# KiCad board EnvKB_HS.kicad_pcb
title: EnvKB; date: 2021-04-06; rev: Rev.1
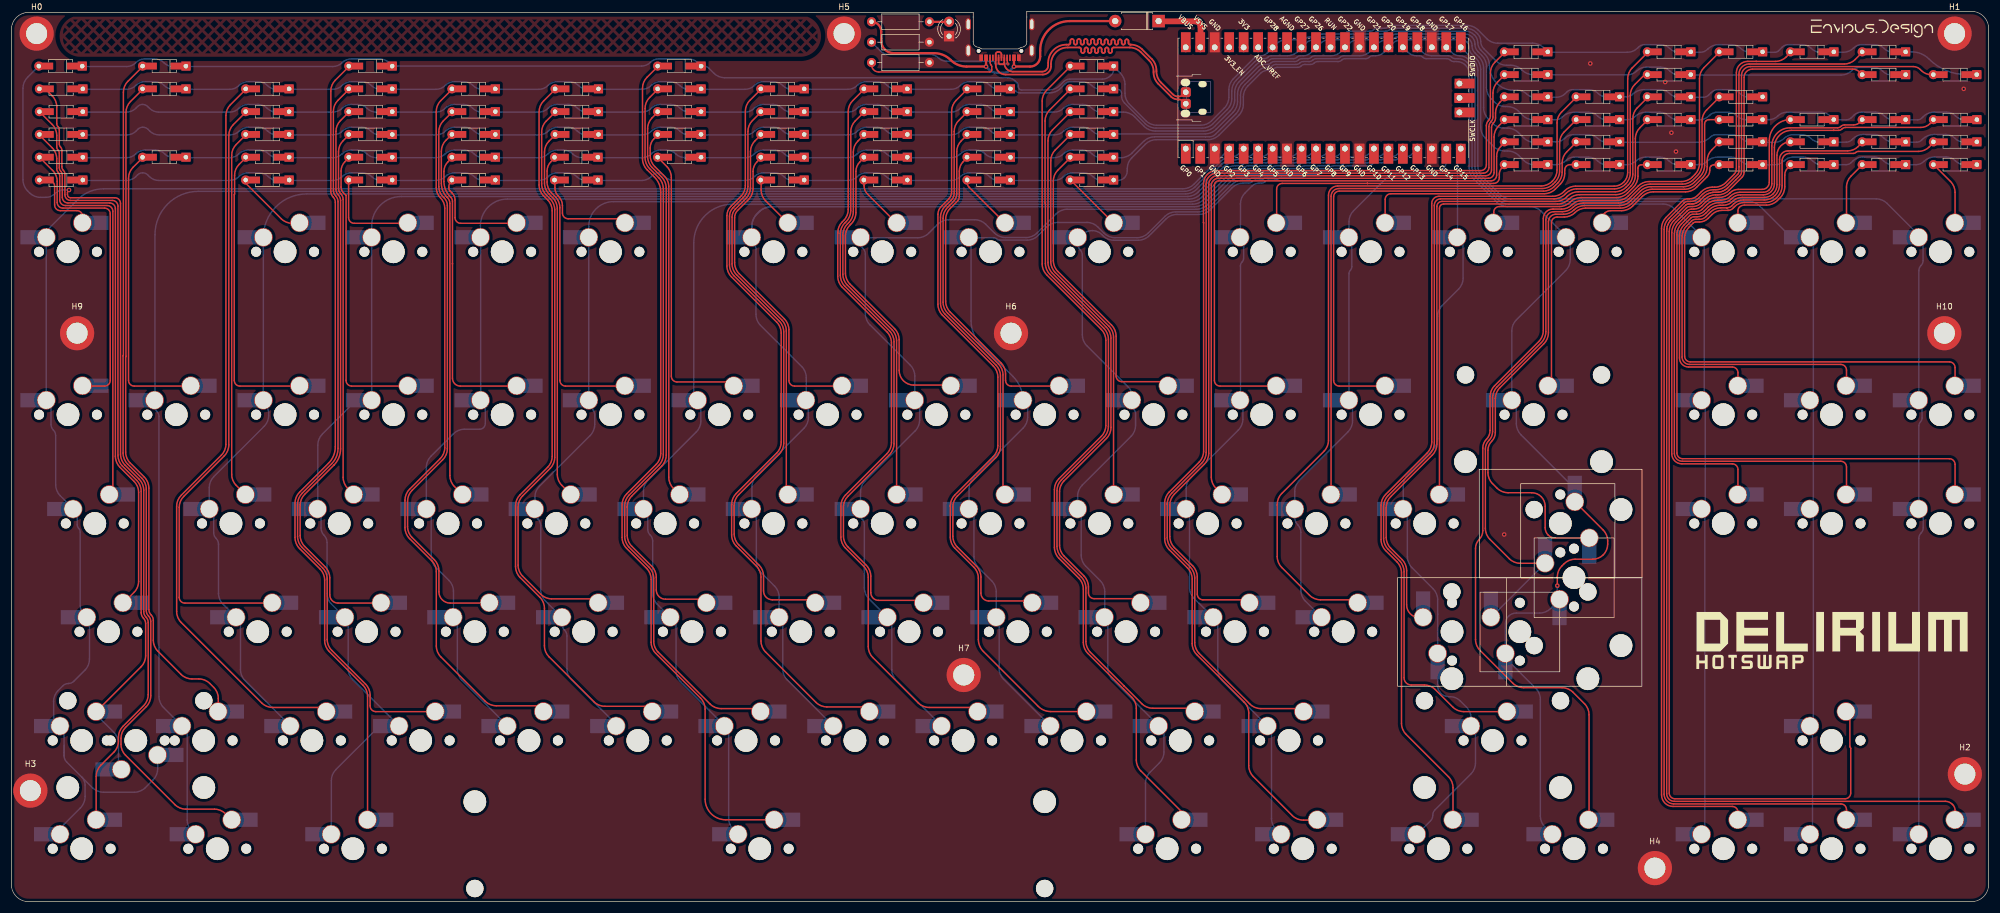
[diagram p0: board, top side]
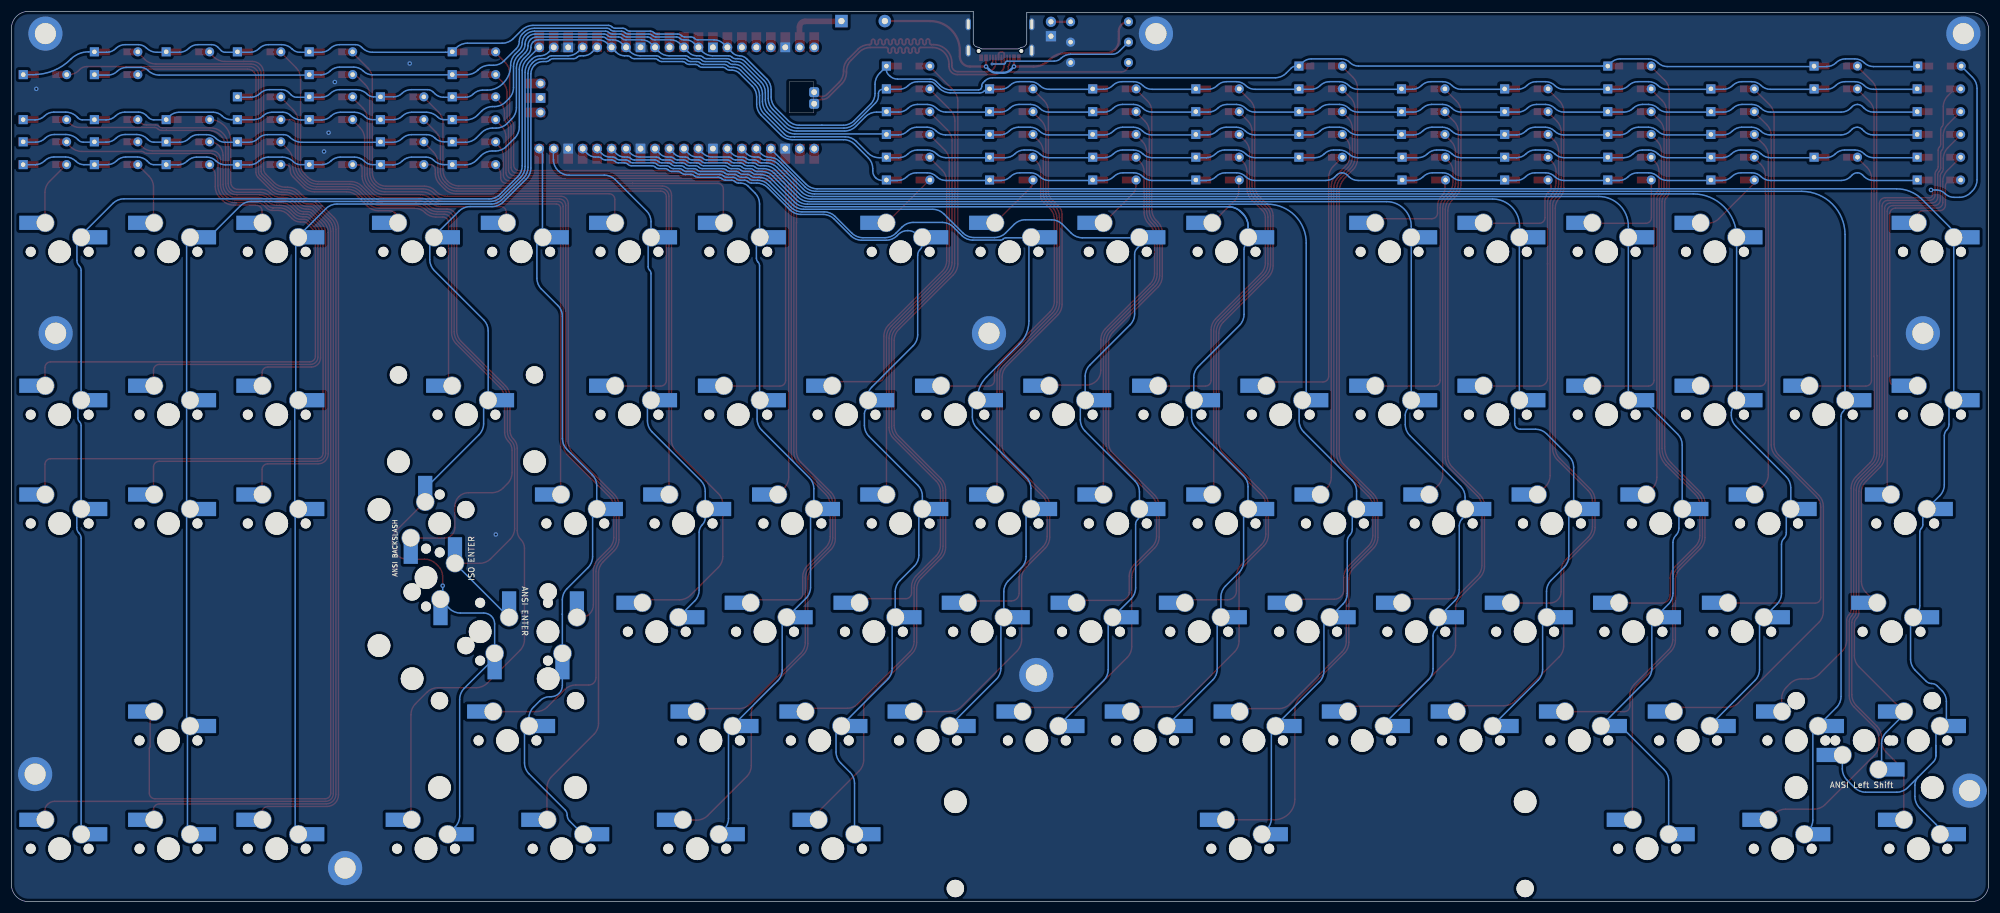
[diagram p1: board, bottom side, seen from below]

Outline 347 x 156.28 mm; copper layers: Top, Bottom. Coordinates in mm from the lower left corner of the outline.
Outline path: rectangle 206.18,143.91 210.51,138.49 ; 168.8,155.3 168.8,156.1 3,156.1 arc(0.88,155.22) 0,153.1 0,3 arc(0.88,0.88) 3,0 344,0 arc(346.12,0.88) 347,3 347,153.28 arc(346.12,155.41) 344,156.28 178.2,156.28 178.2,155.3
Stack: Top 0.035mm / dielectric 0.48mm FR4 er 4.5 / Bottom 0.035mm

## Placement (name value [footprint] x y rotation side)
D0  D  [SOD-123+D_DO-35_SOD27_P7.62mm_Horizontal]  12.53 126.69 180 top
D1  D  [SOD-123+D_DO-35_SOD27_P7.62mm_Horizontal]  48.73 126.69 180 top
D2  D  [SOD-123+D_DO-35_SOD27_P7.62mm_Horizontal]  66.83 126.69 180 top
D3  D  [SOD-123+D_DO-35_SOD27_P7.62mm_Horizontal]  84.93 126.69 180 top
D4  D  [SOD-123+D_DO-35_SOD27_P7.62mm_Horizontal]  102.93 126.69 180 top
D5  D  [SOD-123+D_DO-35_SOD27_P7.62mm_Horizontal]  139.13 126.69 180 top
D6  D  [SOD-123+D_DO-35_SOD27_P7.62mm_Horizontal]  157.23 126.69 180 top
D7  D  [SOD-123+D_DO-35_SOD27_P7.62mm_Horizontal]  175.33 126.69 180 top
D8  D  [SOD-123+D_DO-35_SOD27_P7.62mm_Horizontal]  193.43 126.69 180 top
D9  D  [SOD-123+D_DO-35_SOD27_P7.62mm_Horizontal]  269.63 129.38 180 top
D10  D  [SOD-123+D_DO-35_SOD27_P7.62mm_Horizontal]  282.23 129.38 180 top
D11  D  [SOD-123+D_DO-35_SOD27_P7.62mm_Horizontal]  294.73 129.38 180 top
D12  D  [SOD-123+D_DO-35_SOD27_P7.62mm_Horizontal]  307.33 129.38 180 top
D13  D  [SOD-123+D_DO-35_SOD27_P7.62mm_Horizontal]  319.83 129.38 180 top
D14  D  [SOD-123+D_DO-35_SOD27_P7.62mm_Horizontal]  332.43 129.38 180 top
D15  D  [SOD-123+D_DO-35_SOD27_P7.62mm_Horizontal]  344.93 129.38 180 top
D16  D  [SOD-123+D_DO-35_SOD27_P7.62mm_Horizontal]  12.53 130.69 180 top
D17  D  [SOD-123+D_DO-35_SOD27_P7.62mm_Horizontal]  30.63 130.69 180 top
D18  D  [SOD-123+D_DO-35_SOD27_P7.62mm_Horizontal]  48.73 130.69 180 top
D19  D  [SOD-123+D_DO-35_SOD27_P7.62mm_Horizontal]  66.83 130.69 180 top
D20  D  [SOD-123+D_DO-35_SOD27_P7.62mm_Horizontal]  84.93 130.69 180 top
D21  D  [SOD-123+D_DO-35_SOD27_P7.62mm_Horizontal]  102.93 130.69 180 top
D22  D  [SOD-123+D_DO-35_SOD27_P7.62mm_Horizontal]  121.03 130.69 180 top
D23  D  [SOD-123+D_DO-35_SOD27_P7.62mm_Horizontal]  139.13 130.69 180 top
D24  D  [SOD-123+D_DO-35_SOD27_P7.62mm_Horizontal]  157.23 130.69 180 top
D25  D  [SOD-123+D_DO-35_SOD27_P7.62mm_Horizontal]  175.33 130.69 180 top
D26  D  [SOD-123+D_DO-35_SOD27_P7.62mm_Horizontal]  193.43 130.69 180 top
D27  D  [SOD-123+D_DO-35_SOD27_P7.62mm_Horizontal]  269.63 133.38 180 top
D28  D  [SOD-123+D_DO-35_SOD27_P7.62mm_Horizontal]  282.23 133.38 180 top
D29  D  [SOD-123+D_DO-35_SOD27_P7.62mm_Horizontal]  307.33 133.38 180 top
D30  D  [SOD-123+D_DO-35_SOD27_P7.62mm_Horizontal]  319.83 133.38 180 top
D31  D  [SOD-123+D_DO-35_SOD27_P7.62mm_Horizontal]  332.43 133.38 180 top
D32  D  [SOD-123+D_DO-35_SOD27_P7.62mm_Horizontal]  344.93 133.38 180 top
D33  D  [SOD-123+D_DO-35_SOD27_P7.62mm_Horizontal]  12.53 134.69 180 top
D34  D  [SOD-123+D_DO-35_SOD27_P7.62mm_Horizontal]  48.73 134.69 180 top
D35  D  [SOD-123+D_DO-35_SOD27_P7.62mm_Horizontal]  66.83 134.69 180 top
D36  D  [SOD-123+D_DO-35_SOD27_P7.62mm_Horizontal]  84.93 134.69 180 top
D37  D  [SOD-123+D_DO-35_SOD27_P7.62mm_Horizontal]  103.03 134.69 180 top
D38  D  [SOD-123+D_DO-35_SOD27_P7.62mm_Horizontal]  121.03 134.69 180 top
D39  D  [SOD-123+D_DO-35_SOD27_P7.62mm_Horizontal]  139.13 134.69 180 top
D40  D  [SOD-123+D_DO-35_SOD27_P7.62mm_Horizontal]  157.23 134.69 180 top
D41  D  [SOD-123+D_DO-35_SOD27_P7.62mm_Horizontal]  175.33 134.69 180 top
D42  D  [SOD-123+D_DO-35_SOD27_P7.62mm_Horizontal]  193.43 134.69 180 top
D43  D  [SOD-123+D_DO-35_SOD27_P7.62mm_Horizontal]  269.63 137.28 180 top
D44  D  [SOD-123+D_DO-35_SOD27_P7.62mm_Horizontal]  282.23 137.28 180 top
D45  D  [SOD-123+D_DO-35_SOD27_P7.62mm_Horizontal]  294.73 137.28 180 top
D46  D  [SOD-123+D_DO-35_SOD27_P7.62mm_Horizontal]  307.33 137.28 180 top
D47  D  [SOD-123+D_DO-35_SOD27_P7.62mm_Horizontal]  319.83 137.28 180 top
D48  D  [SOD-123+D_DO-35_SOD27_P7.62mm_Horizontal]  332.43 137.28 180 top
D49  D  [SOD-123+D_DO-35_SOD27_P7.62mm_Horizontal]  344.93 137.28 180 top
D50  D  [SOD-123+D_DO-35_SOD27_P7.62mm_Horizontal]  12.53 138.69 180 top
D51  D  [SOD-123+D_DO-35_SOD27_P7.62mm_Horizontal]  48.73 138.69 180 top
D52  D  [SOD-123+D_DO-35_SOD27_P7.62mm_Horizontal]  66.83 138.69 180 top
D53  D  [SOD-123+D_DO-35_SOD27_P7.62mm_Horizontal]  84.93 138.69 180 top
D54  D  [SOD-123+D_DO-35_SOD27_P7.62mm_Horizontal]  103.03 138.69 180 top
D55  D  [SOD-123+D_DO-35_SOD27_P7.62mm_Horizontal]  121.03 138.69 180 top
D56  D  [SOD-123+D_DO-35_SOD27_P7.62mm_Horizontal]  139.13 138.69 180 top
D57  D  [SOD-123+D_DO-35_SOD27_P7.62mm_Horizontal]  157.23 138.69 180 top
D58  D  [SOD-123+D_DO-35_SOD27_P7.62mm_Horizontal]  175.33 138.69 180 top
D59  D  [SOD-123+D_DO-35_SOD27_P7.62mm_Horizontal]  193.43 138.69 180 top
D60  D  [SOD-123+D_DO-35_SOD27_P7.62mm_Horizontal]  269.63 141.28 180 top
D61  D  [SOD-123+D_DO-35_SOD27_P7.62mm_Horizontal]  282.23 141.28 180 top
D62  D  [SOD-123+D_DO-35_SOD27_P7.62mm_Horizontal]  294.73 141.28 180 top
D63  D  [SOD-123+D_DO-35_SOD27_P7.62mm_Horizontal]  307.33 141.28 180 top
D64  D  [SOD-123+D_DO-35_SOD27_P7.62mm_Horizontal]  12.53 142.69 180 top
D65  D  [SOD-123+D_DO-35_SOD27_P7.62mm_Horizontal]  30.63 142.69 180 top
D66  D  [SOD-123+D_DO-35_SOD27_P7.62mm_Horizontal]  48.73 142.69 180 top
D67  D  [SOD-123+D_DO-35_SOD27_P7.62mm_Horizontal]  66.83 142.69 180 top
D68  D  [SOD-123+D_DO-35_SOD27_P7.62mm_Horizontal]  84.93 142.69 180 top
D69  D  [SOD-123+D_DO-35_SOD27_P7.62mm_Horizontal]  103.03 142.69 180 top
D70  D  [SOD-123+D_DO-35_SOD27_P7.62mm_Horizontal]  121.03 142.69 180 top
D71  D  [SOD-123+D_DO-35_SOD27_P7.62mm_Horizontal]  139.13 142.69 180 top
D72  D  [SOD-123+D_DO-35_SOD27_P7.62mm_Horizontal]  157.23 142.69 180 top
D73  D  [SOD-123+D_DO-35_SOD27_P7.62mm_Horizontal]  175.33 142.69 180 top
D74  D  [SOD-123+D_DO-35_SOD27_P7.62mm_Horizontal]  193.43 142.69 180 top
D75  D  [SOD-123+D_DO-35_SOD27_P7.62mm_Horizontal]  269.63 145.19 180 top
D76  D  [SOD-123+D_DO-35_SOD27_P7.62mm_Horizontal]  294.73 145.19 180 top
D77  D  [SOD-123+D_DO-35_SOD27_P7.62mm_Horizontal]  332.43 145.19 180 top
D78  D  [SOD-123+D_DO-35_SOD27_P7.62mm_Horizontal]  12.43 146.69 180 top
D79  D  [SOD-123+D_DO-35_SOD27_P7.62mm_Horizontal]  30.63 146.69 180 top
D80  D  [SOD-123+D_DO-35_SOD27_P7.62mm_Horizontal]  66.83 146.69 180 top
D81  D  [SOD-123+D_DO-35_SOD27_P7.62mm_Horizontal]  121.03 146.69 180 top
D82  D  [SOD-123+D_DO-35_SOD27_P7.62mm_Horizontal]  193.43 146.69 180 top
D83  D  [SOD-123+D_DO-35_SOD27_P7.62mm_Horizontal]  269.63 149.19 180 top
D84  D  [SOD-123+D_DO-35_SOD27_P7.62mm_Horizontal]  294.73 149.19 180 top
D85  D  [SOD-123+D_DO-35_SOD27_P7.62mm_Horizontal]  307.33 149.19 180 top
D86  D  [SOD-123+D_DO-35_SOD27_P7.62mm_Horizontal]  319.83 149.19 180 top
D87  D  [SOD-123+D_DO-35_SOD27_P7.62mm_Horizontal]  332.43 149.19 180 top
D88  D  [SOD-123+D_DO-35_SOD27_P7.62mm_Horizontal]  344.92 145.19 180 top
D89  1n4002  [D_DO-41_SOD81_P7.62mm_Horizontal]  201.33 154.58 180 top
H0  MountingHole  [MountingHole_3.7mm_Pad]  4.43 152.38 0 top
H1  MountingHole  [MountingHole_3.7mm_Pad]  341.03 152.38 0 top
H2  MountingHole  [MountingHole_3.7mm_Pad]  342.83 22.38 0 top
H3  MountingHole  [MountingHole_3.7mm_Pad]  3.33 19.48 0 top
H4  MountingHole  [MountingHole_3.7mm_Pad]  288.43 5.88 0 top
H5  MountingHole  [MountingHole_3.7mm_Pad]  146.13 152.38 0 top
H6  MountingHole  [MountingHole_3.7mm_Pad]  175.43 99.78 0 top
H7  MountingHole  [MountingHole_3.7mm_Pad]  167.13 39.78 0 top
H9  MountingHole  [MountingHole_3.7mm_Pad]  11.53 99.78 0 top
H10  MountingHole  [MountingHole_3.7mm_Pad]  339.23 99.78 0 top
K_0  KEYSW  [MXOnly-1U-Hotswap-Modified]  9.93 114.08 0 top
K_1  KEYSW  [MXOnly-1U-Hotswap-Modified]  48.03 114.08 0 top
K_2  KEYSW  [MXOnly-1U-Hotswap-Modified]  67.03 114.08 0 top
K_3  KEYSW  [MXOnly-1U-Hotswap-Modified]  86.13 114.08 0 top
K_4  KEYSW  [MXOnly-1U-Hotswap-Modified]  105.13 114.08 0 top
K_5  KEYSW  [MXOnly-1U-Hotswap-Modified]  133.73 114.08 0 top
K_6  KEYSW  [MXOnly-1U-Hotswap-Modified]  152.83 114.08 0 top
K_7  KEYSW  [MXOnly-1U-Hotswap-Modified]  171.83 114.08 0 top
K_8  KEYSW  [MXOnly-1U-Hotswap-Modified]  190.93 114.08 0 top
K_9  KEYSW  [MXOnly-1U-Hotswap-Modified]  219.43 114.08 0 top
K_10  KEYSW  [MXOnly-1U-Hotswap-Modified]  238.53 114.08 0 top
K_11  KEYSW  [MXOnly-1U-Hotswap-Modified]  257.53 114.08 0 top
K_12  KEYSW  [MXOnly-1U-Hotswap-Modified]  276.63 114.08 0 top
K_13  KEYSW  [MXOnly-1U-Hotswap-Modified]  300.43 114.08 0 top
K_14  KEYSW  [MXOnly-1U-Hotswap-Modified]  319.43 114.08 0 top
K_15  KEYSW  [MXOnly-1U-Hotswap-Modified]  338.53 114.08 0 top
K_16  KEYSW  [MXOnly-1U-Hotswap-Modified]  9.93 85.48 0 top
K_17  KEYSW  [MXOnly-1U-Hotswap-Modified]  28.93 85.48 0 top
K_18  KEYSW  [MXOnly-1U-Hotswap-Modified]  48.03 85.48 0 top
K_19  KEYSW  [MXOnly-1U-Hotswap-Modified]  67.03 85.48 0 top
K_20  KEYSW  [MXOnly-1U-Hotswap-Modified]  86.13 85.48 0 top
K_21  KEYSW  [MXOnly-1U-Hotswap-Modified]  105.13 85.48 0 top
K_22  KEYSW  [MXOnly-1U-Hotswap-Modified]  124.23 85.48 0 top
K_23  KEYSW  [MXOnly-1U-Hotswap-Modified]  143.23 85.48 0 top
K_24  KEYSW  [MXOnly-1U-Hotswap-Modified]  162.33 85.48 0 top
K_25  KEYSW  [MXOnly-1U-Hotswap-Modified]  181.33 85.48 0 top
K_26  KEYSW  [MXOnly-1U-Hotswap-Modified]  200.43 85.48 0 top
K_27  KEYSW  [MXOnly-1U-Hotswap-Modified]  219.43 85.48 0 top
K_28  KEYSW  [MXOnly-1U-Hotswap-Modified]  238.53 85.48 0 top
K_29  KEYSW  [MXOnly-1U-Hotswap-Modified]  267.13 85.48 0 top
K_30  KEYSW  [MXOnly-1U-Hotswap-Modified]  300.43 85.48 0 top
K_31  KEYSW  [MXOnly-1U-Hotswap-Modified]  319.43 85.48 0 top
K_32  KEYSW  [MXOnly-1U-Hotswap-Modified]  338.53 85.48 0 top
K_33  KEYSW  [MXOnly-1U-Hotswap-Modified]  14.63 66.38 0 top
K_34  KEYSW  [MXOnly-1U-Hotswap-Modified]  38.53 66.38 0 top
K_35  KEYSW  [MXOnly-1U-Hotswap-Modified]  57.53 66.38 0 top
K_36  KEYSW  [MXOnly-1U-Hotswap-Modified]  76.63 66.38 0 top
K_37  KEYSW  [MXOnly-1U-Hotswap-Modified]  95.63 66.38 0 top
K_38  KEYSW  [MXOnly-1U-Hotswap-Modified]  114.73 66.38 0 top
K_39  KEYSW  [MXOnly-1U-Hotswap-Modified]  133.73 66.38 0 top
K_40  KEYSW  [MXOnly-1U-Hotswap-Modified]  152.83 66.38 0 top
K_41  KEYSW  [MXOnly-1U-Hotswap-Modified]  171.83 66.38 0 top
K_42  KEYSW  [MXOnly-1U-Hotswap-Modified]  190.93 66.38 0 top
K_43  KEYSW  [MXOnly-1U-Hotswap-Modified]  209.93 66.38 0 top
K_44  KEYSW  [MXOnly-1U-Hotswap-Modified]  229.03 66.38 0 top
K_45  KEYSW  [MXOnly-1U-Hotswap-Modified]  248.03 66.38 0 top
K_46  KEYSW  [MXOnly-1U-Hotswap-Modified]  271.83 66.38 270 top
K_47  KEYSW  [MXOnly-1U-Hotswap-Modified]  300.43 66.38 0 top
K_48  KEYSW  [MXOnly-1U-Hotswap-Modified]  319.43 66.38 0 top
K_49  KEYSW  [MXOnly-1U-Hotswap-Modified]  338.53 66.38 0 top
K_50  KEYSW  [MXOnly-1U-Hotswap-Modified]  17.03 47.38 0 top
K_51  KEYSW  [MXOnly-1U-Hotswap-Modified]  43.23 47.38 0 top
K_52  KEYSW  [MXOnly-1U-Hotswap-Modified]  62.33 47.38 0 top
K_53  KEYSW  [MXOnly-1U-Hotswap-Modified]  81.33 47.38 0 top
K_54  KEYSW  [MXOnly-1U-Hotswap-Modified]  100.43 47.38 0 top
K_55  KEYSW  [MXOnly-1U-Hotswap-Modified]  119.43 47.38 0 top
K_56  KEYSW  [MXOnly-1U-Hotswap-Modified]  138.53 47.38 0 top
K_57  KEYSW  [MXOnly-1U-Hotswap-Modified]  157.53 47.38 0 top
K_58  KEYSW  [MXOnly-1U-Hotswap-Modified]  176.63 47.38 0 top
K_59  KEYSW  [MXOnly-1U-Hotswap-Modified]  195.63 47.38 0 top
K_60  KEYSW  [MXOnly-1U-Hotswap-Modified]  214.73 47.38 0 top
K_61  KEYSW  [MXOnly-1U-Hotswap-Modified]  233.73 47.38 0 top
K_62  KEYSW  [MXOnly-1U-Hotswap-Modified]  252.83 47.38 90 top
K_63  MX-NoLED  [MXOnly-1U-Hotswap-Modified]  274.23 56.88 90 top
K_63B1  MX-NoLED  [MXOnly-1U-Hotswap-Modified]  264.73 47.38 90 top
K_64  KEYSW  [MXOnly-1U-Hotswap-Modified]  12.33 28.28 0 top
K_64B1  KEYSW  [MXOnly-1U-Hotswap-Modified]  21.83 28.28 180 top
K_65  KEYSW  [MXOnly-1U-Hotswap-Modified]  33.73 28.28 0 top
K_66  KEYSW  [MXOnly-1U-Hotswap-Modified]  52.73 28.28 0 top
K_67  KEYSW  [MXOnly-1U-Hotswap-Modified]  71.83 28.28 0 top
K_68  KEYSW  [MXOnly-1U-Hotswap-Modified]  90.83 28.28 0 top
K_69  KEYSW  [MXOnly-1U-Hotswap-Modified]  109.93 28.28 0 top
K_70  KEYSW  [MXOnly-1U-Hotswap-Modified]  128.93 28.28 0 top
K_71  KEYSW  [MXOnly-1U-Hotswap-Modified]  148.03 28.28 0 top
K_72  KEYSW  [MXOnly-1U-Hotswap-Modified]  167.03 28.28 0 top
K_73  KEYSW  [MXOnly-1U-Hotswap-Modified]  186.13 28.28 0 top
K_74  KEYSW  [MXOnly-1U-Hotswap-Modified]  205.13 28.28 0 top
K_75  KEYSW  [MXOnly-1U-Hotswap-Modified]  224.23 28.28 0 top
K_76  KEYSW  [MXOnly-1U-Hotswap-Modified]  259.93 28.28 0 top
K_77  KEYSW  [MXOnly-1U-Hotswap-Modified]  319.43 28.28 0 top
K_78  KEYSW  [MXOnly-1U-Hotswap-Modified]  12.33 9.28 0 top
K_79  KEYSW  [MXOnly-1U-Hotswap-Modified]  36.13 9.28 0 top
K_80  KEYSW  [MXOnly-1U-Hotswap-Modified]  59.93 9.28 0 top
K_81  KEYSW  [MXOnly-1U-Hotswap-Modified]  131.33 9.28 0 top
K_82  KEYSW  [MXOnly-1U-Hotswap-Modified]  202.83 9.28 0 top
K_83  KEYSW  [MXOnly-1U-Hotswap-Modified]  226.63 9.28 0 top
K_84  KEYSW  [MXOnly-1U-Hotswap-Modified]  250.43 9.28 0 top
K_85  KEYSW  [MXOnly-1U-Hotswap-Modified]  274.23 9.28 0 top
K_86  KEYSW  [MXOnly-1U-Hotswap-Modified]  300.43 9.28 0 top
K_87  KEYSW  [MXOnly-1U-Hotswap-Modified]  319.43 9.28 0 top
K_88  KEYSW  [MXOnly-1U-Hotswap-Modified]  338.53 9.28 0 top
kibuzzard-62A4A5BB  G***  [kibuzzard-62A4A5BB]  326.53 153.28 0 top
kibuzzard-6298A001  G***  [kibuzzard-6298A001]  319.53 47.38 0 top
kibuzzard-6298A037  G***  [kibuzzard-6298A037]  305.13 42.09 0 top
LEDRESISTOR1  5.1K Resistor 1/4w  [R_Axial_DIN0207_L6.3mm_D2.5mm_P10.16mm_Horizontal]  150.95 154.46 0 top
PowerLED0  LED 3MM  [LED_D3.0mm_FlatTop]  164.56 151.93 90 top
RESISTOR0  5.1kohm 1/4w  [R_Axial_DIN0207_L6.3mm_D2.5mm_P10.16mm_Horizontal]  150.95 150.88 0 top
RESISTOR1  5.1kohm 1/4  [R_Axial_DIN0207_L6.3mm_D2.5mm_P10.16mm_Horizontal]  161.11 147.31 180 top
RPI0  Pico  [RPi_Pico_SMD_TH]  230.23 141.08 90 top
Stab1  Stabilizer  [Stabilizer_Cherry_MX_6.25u]  131.33 9.28 180 top
Stab2  Stabilizer  [Stabilizer_Cherry_MX_2u]  267.13 85.48 0 top
Stab3  Stabilizer  [Stabilizer_Cherry_MX_2u]  274.23 56.88 90 top
Stab4  Stabilizer  [Stabilizer_Cherry_MX_2u]  259.93 28.28 0 top
Stab5  Stabilizer  [Stabilizer_Cherry_MX_2u]  21.83 28.28 0 top
Stab6  Stabilizer  [Stabilizer_Cherry_MX_2u]  264.73 47.38 0 top
USB1  TYPE-C-31-M-14  [USB_C_TYPE-C-31-M-14]  173.5 151 180 top

## Library data of the parts
K_0-K_63 K_63B1 K_64 K_64B1 K_65-K_88 = -: LCSC: C2803348
LEDRESISTOR1 = -: LCSC: C17513
RESISTOR0 RESISTOR1 = -: LCSC: C25905
USB1 = -: LCSC: C165948

## Footprints (pads in the part's own frame, mm; a bottom-side part is the same pattern mirrored in y, then rotated)
D_DO-41_SOD81_P7.62mm_Horizontal
  rect 2.2x2.2 hole 1.1: 1(0,0)
  oval 2.2x2.2 hole 1.1: 2(7.62,0)
LED_D3.0mm_FlatTop
  rect 1.8x1.8 hole 0.9: 1(0,0)
  round 1.8 hole 0.9: 2(2.54,0)
MountingHole_3.7mm_Pad
  round 6 hole 3.7: 1(0,0)
MXOnly-1U-Hotswap-Modified
  rect 2.55x2.5 smd: (-7.085,2.54) (5.815,5.08)
  round 1.75 hole 1.75 unplated: (-5.08,0) (5.08,0)
  round 3.988 hole 3.988 unplated: (0,0)
  rect 5.5x2.5 smd far side: 1(-5.61,2.54) 2(4.34,5.08)
  round 3.25 hole 3: 1(-3.81,2.54) 2(2.54,5.08)
R_Axial_DIN0207_L6.3mm_D2.5mm_P10.16mm_Horizontal
  round 1.6 hole 0.8: 1(0,0)
  oval 1.6x1.6 hole 0.8: 2(10.16,0)
RPi_Pico_SMD_TH
  oval 1.35x1.7 smd: (-2.73,24.19) (2.73,24.19)
  oval 1.1x1.5 smd: (-2.42,21.19) (2.42,21.19)
  oval 1.7x1.7 hole 1.02: 1(-8.89,24.13) 2(-8.89,21.59) 4(-8.89,16.51) 5(-8.89,13.97) 6(-8.89,11.43) 7(-8.89,8.89) 9(-8.89,3.81) 10(-8.89,1.27) 11(-8.89,-1.27) 12(-8.89,-3.81) 14(-8.89,-8.89) 15(-8.89,-11.43) 16(-8.89,-13.97) 17(-8.89,-16.51) 19(-8.89,-21.59) 20(-8.89,-24.13) 21(8.89,-24.13) 22(8.89,-21.59) 24(8.89,-16.51) 25(8.89,-13.97) 26(8.89,-11.43) 27(8.89,-8.89) 29(8.89,-3.81) 30(8.89,-1.27) 31(8.89,1.27) 32(8.89,3.81) 34(8.89,8.89) 35(8.89,11.43) 36(8.89,13.97) 37(8.89,16.51) 39(8.89,21.59) 40(8.89,24.13) 41(-2.54,-23.9) 43(2.54,-23.9)
  rect 3.5x1.7 smd: 1(-8.89,24.13) 2(-8.89,21.59) 3(-8.89,19.05) 4(-8.89,16.51) 5(-8.89,13.97) 6(-8.89,11.43) 7(-8.89,8.89) 8(-8.89,6.35) 9(-8.89,3.81) 10(-8.89,1.27) 11(-8.89,-1.27) 12(-8.89,-3.81) 13(-8.89,-6.35) 14(-8.89,-8.89) 15(-8.89,-11.43) 16(-8.89,-13.97) 17(-8.89,-16.51) 18(-8.89,-19.05) 19(-8.89,-21.59) 20(-8.89,-24.13) 21(8.89,-24.13) 22(8.89,-21.59) 23(8.89,-19.05) 24(8.89,-16.51) 25(8.89,-13.97) 26(8.89,-11.43) 27(8.89,-8.89) 28(8.89,-6.35) 29(8.89,-3.81) 30(8.89,-1.27) 31(8.89,1.27) 32(8.89,3.81) 33(8.89,6.35) 34(8.89,8.89) 35(8.89,11.43) 36(8.89,13.97) 37(8.89,16.51) 38(8.89,19.05) 39(8.89,21.59) 40(8.89,24.13)
  rect 1.7x1.7 hole 1.02: 3(-8.89,19.05) 8(-8.89,6.35) 13(-8.89,-6.35) 18(-8.89,-19.05) 23(8.89,-19.05) 28(8.89,-6.35) 33(8.89,6.35) 38(8.89,19.05) 42(0,-23.9)
  rect 1.7x3.5 smd: 41(-2.54,-23.9) 42(0,-23.9) 43(2.54,-23.9)
  rrect 1.75x1.75 hole 1: TP2(1.016,24.125) TP3(-1.016,24.125)
SOD-123+D_DO-35_SOD27_P7.62mm_Horizontal
  rect 1.6x1.6 hole 0.8: 1(0,0)
  rect 3.5x1.2 smd: 1(0.95,0)
  rect 3x1.2 smd: 2(6.6,0)
  oval 1.6x1.6 hole 0.8: 2(7.62,0)
Stabilizer_Cherry_MX_2u
  round 3.048 hole 3.048 unplated: (-11.938,6.985) (11.938,6.985)
  round 3.988 hole 3.988 unplated: (-11.938,-8.255) (11.938,-8.255)
Stabilizer_Cherry_MX_6.25u
  round 3.048 hole 3.048 unplated: (-50,6.985) (50,6.985)
  round 3.988 hole 3.988 unplated: (-50,-8.255) (50,-8.255)
USB_C_TYPE-C-31-M-14
  oval 1.2x2.4 smd: (-5.675,1.58) (-5.675,-3.02) (5.675,1.58) (5.675,-3.02)
  round 0.65 hole 0.65 unplated: (-3.75,1.66) (3.75,1.66)
  rect 0.6x1.1 smd: A1(-3.3,2.86) A4(-2.45,2.86) A9(2.45,2.86) A12(3.3,2.86) B1(3.3,2.86) B4(2.45,2.86) B9(-2.45,2.86) B12(-3.3,2.86)
  rect 0.3x1.1 smd: A5(-1.25,2.86) A6(-0.25,2.86) A7(0.25,2.86) A8(1.25,2.86) B5(1.75,2.86) B6(0.75,2.86) B7(-0.75,2.86) B8(-1.75,2.86)
  oval 0.9x2.1 hole 0.5x1.7: S1(-5.575,1.58) S1(-5.575,-3.02) S1(5.575,1.58) S1(5.575,-3.02)

## Nets
3.3V: RPI0.36
GND: H0.1 H1.1 H2.1 H3.1 H4.1 H5.1 H6.1 H7.1 H9.1 H10.1 PowerLED0.1 RESISTOR0.2 RESISTOR1.1 RPI0.3 RPI0.8 RPI0.13 RPI0.18 RPI0.23 RPI0.28 RPI0.38 USB1.A1 USB1.A12 USB1.B1 USB1.B12 USB1.S1
col0: K_0.1 K_16.1 K_33.1 K_50.1 K_64.1 K_64B1.1 K_78.1 RPI0.4
col1: K_17.1 K_65.1 K_79.1 RPI0.5
col2: K_1.1 K_18.1 K_34.1 K_51.1 K_66.1 RPI0.6
col3: K_2.1 K_19.1 K_35.1 K_52.1 K_67.1 K_80.1 RPI0.7
col4: K_3.1 K_20.1 K_36.1 K_53.1 K_68.1 RPI0.9
col5: K_4.1 K_21.1 K_37.1 K_54.1 K_69.1 RPI0.10
col6: K_22.1 K_38.1 K_55.1 K_70.1 K_81.1 RPI0.11
col7: K_5.1 K_23.1 K_39.1 K_56.1 K_71.1 RPI0.12
col8: K_6.1 K_24.1 K_40.1 K_57.1 K_72.1 RPI0.14
col9: K_7.1 K_25.1 K_41.1 K_58.1 K_73.1 RPI0.15
col10: K_8.1 K_26.1 K_42.1 K_59.1 K_74.1 K_82.1 RPI0.16
col11: K_9.1 K_27.1 K_43.1 K_60.1 K_75.1 K_83.1 RPI0.17
col12: K_10.1 K_28.1 K_44.1 K_61.1 RPI0.19
col13: K_11.1 K_45.1 K_62.1 K_76.1 K_84.1 RPI0.20
col14: K_12.1 K_29.1 K_46.1 K_63.1 K_63B1.1 K_85.1 RPI0.25
col15: K_13.1 K_30.1 K_47.1 K_86.1 RPI0.24
col16: K_14.1 K_31.1 K_48.1 K_77.1 K_87.1 RPI0.22
col17: K_15.1 K_32.1 K_49.1 K_88.1 RPI0.21
LEDPIN: RPI0.1
Resetbtn: RPI0.30
row0: D0.1 D1.1 D2.1 D3.1 D4.1 D5.1 D6.1 D7.1 D8.1 D9.1 D10.1 D11.1 D12.1 D13.1 D14.1 D15.1 RPI0.26
row2: D16.1 D17.1 D18.1 D19.1 D20.1 D21.1 D22.1 D23.1 D24.1 D25.1 D26.1 D27.1 D28.1 D29.1 D30.1 D31.1 D32.1 RPI0.27
row3: D33.1 D34.1 D35.1 D36.1 D37.1 D38.1 D39.1 D40.1 D41.1 D42.1 D43.1 D44.1 D45.1 D46.1 D47.1 D48.1 D49.1 RPI0.29
row4: D50.1 D51.1 D52.1 D53.1 D54.1 D55.1 D56.1 D57.1 D58.1 D59.1 D60.1 D61.1 D62.1 D63.1 RPI0.31
row5: D64.1 D65.1 D66.1 D67.1 D68.1 D69.1 D70.1 D71.1 D72.1 D73.1 D74.1 D75.1 D76.1 D77.1 RPI0.32
row6: D78.1 D79.1 D80.1 D81.1 D82.1 D83.1 D84.1 D85.1 D86.1 D87.1 D88.1 RPI0.34
USB2_N: RPI0.TP2 USB1.A7 USB1.B7
USB2_P: RPI0.TP3 USB1.A6 USB1.B6
USBVBUS: D89.2 LEDRESISTOR1.1 USB1.A4 USB1.A9 USB1.B4 USB1.B9
VSYS: D89.1 RPI0.39
Net-(D0-Pad2): D0.2 K_0.2
Net-(D1-Pad2): D1.2 K_1.2
Net-(D2-Pad2): D2.2 K_2.2
Net-(D3-Pad2): D3.2 K_3.2
Net-(D4-Pad2): D4.2 K_4.2
Net-(D5-Pad2): D5.2 K_5.2
Net-(D6-Pad2): D6.2 K_6.2
Net-(D7-Pad2): D7.2 K_7.2
Net-(D8-Pad2): D8.2 K_8.2
Net-(D9-Pad2): D9.2 K_9.2
Net-(D10-Pad2): D10.2 K_10.2
Net-(D11-Pad2): D11.2 K_11.2
Net-(D12-Pad2): D12.2 K_12.2
Net-(D13-Pad2): D13.2 K_13.2
Net-(D14-Pad2): D14.2 K_14.2
Net-(D15-Pad2): D15.2 K_15.2
Net-(D16-Pad2): D16.2 K_16.2
Net-(D17-Pad2): D17.2 K_17.2
Net-(D18-Pad2): D18.2 K_18.2
Net-(D19-Pad2): D19.2 K_19.2
Net-(D20-Pad2): D20.2 K_20.2
Net-(D21-Pad2): D21.2 K_21.2
Net-(D22-Pad2): D22.2 K_22.2
Net-(D23-Pad2): D23.2 K_23.2
Net-(D24-Pad2): D24.2 K_24.2
Net-(D25-Pad2): D25.2 K_25.2
Net-(D26-Pad2): D26.2 K_26.2
Net-(D27-Pad2): D27.2 K_27.2
Net-(D28-Pad2): D28.2 K_28.2
Net-(D29-Pad2): D29.2 K_29.2
Net-(D30-Pad2): D30.2 K_30.2
Net-(D31-Pad2): D31.2 K_31.2
Net-(D32-Pad2): D32.2 K_32.2
Net-(D33-Pad2): D33.2 K_33.2
Net-(D34-Pad2): D34.2 K_34.2
Net-(D35-Pad2): D35.2 K_35.2
Net-(D36-Pad2): D36.2 K_36.2
Net-(D37-Pad2): D37.2 K_37.2
Net-(D38-Pad2): D38.2 K_38.2
Net-(D39-Pad2): D39.2 K_39.2
Net-(D40-Pad2): D40.2 K_40.2
Net-(D41-Pad2): D41.2 K_41.2
Net-(D42-Pad2): D42.2 K_42.2
Net-(D43-Pad2): D43.2 K_43.2
Net-(D44-Pad2): D44.2 K_44.2
Net-(D45-Pad2): D45.2 K_45.2
Net-(D46-Pad2): D46.2 K_46.2
Net-(D47-Pad2): D47.2 K_47.2
Net-(D48-Pad2): D48.2 K_48.2
Net-(D49-Pad2): D49.2 K_49.2
Net-(D50-Pad2): D50.2 K_50.2
Net-(D51-Pad2): D51.2 K_51.2
Net-(D52-Pad2): D52.2 K_52.2
Net-(D53-Pad2): D53.2 K_53.2
Net-(D54-Pad2): D54.2 K_54.2
Net-(D55-Pad2): D55.2 K_55.2
Net-(D56-Pad2): D56.2 K_56.2
Net-(D57-Pad2): D57.2 K_57.2
Net-(D58-Pad2): D58.2 K_58.2
Net-(D59-Pad2): D59.2 K_59.2
Net-(D60-Pad2): D60.2 K_60.2
Net-(D61-Pad2): D61.2 K_61.2
Net-(D62-Pad2): D62.2 K_62.2
Net-(D63-Pad2): D63.2 K_63.2 K_63B1.2
Net-(D64-Pad2): D64.2 K_64.2 K_64B1.2
Net-(D65-Pad2): D65.2 K_65.2
Net-(D66-Pad2): D66.2 K_66.2
Net-(D67-Pad2): D67.2 K_67.2
Net-(D68-Pad2): D68.2 K_68.2
Net-(D69-Pad2): D69.2 K_69.2
Net-(D70-Pad2): D70.2 K_70.2
Net-(D71-Pad2): D71.2 K_71.2
Net-(D72-Pad2): D72.2 K_72.2
Net-(D73-Pad2): D73.2 K_73.2
Net-(D74-Pad2): D74.2 K_74.2
Net-(D75-Pad2): D75.2 K_75.2
Net-(D76-Pad2): D76.2 K_76.2
Net-(D77-Pad2): D77.2 K_77.2
Net-(D78-Pad2): D78.2 K_78.2
Net-(D79-Pad2): D79.2 K_79.2
Net-(D80-Pad2): D80.2 K_80.2
Net-(D81-Pad2): D81.2 K_81.2
Net-(D82-Pad2): D82.2 K_82.2